# KiCad board OEM_ECU.kicad_pcb (continued)
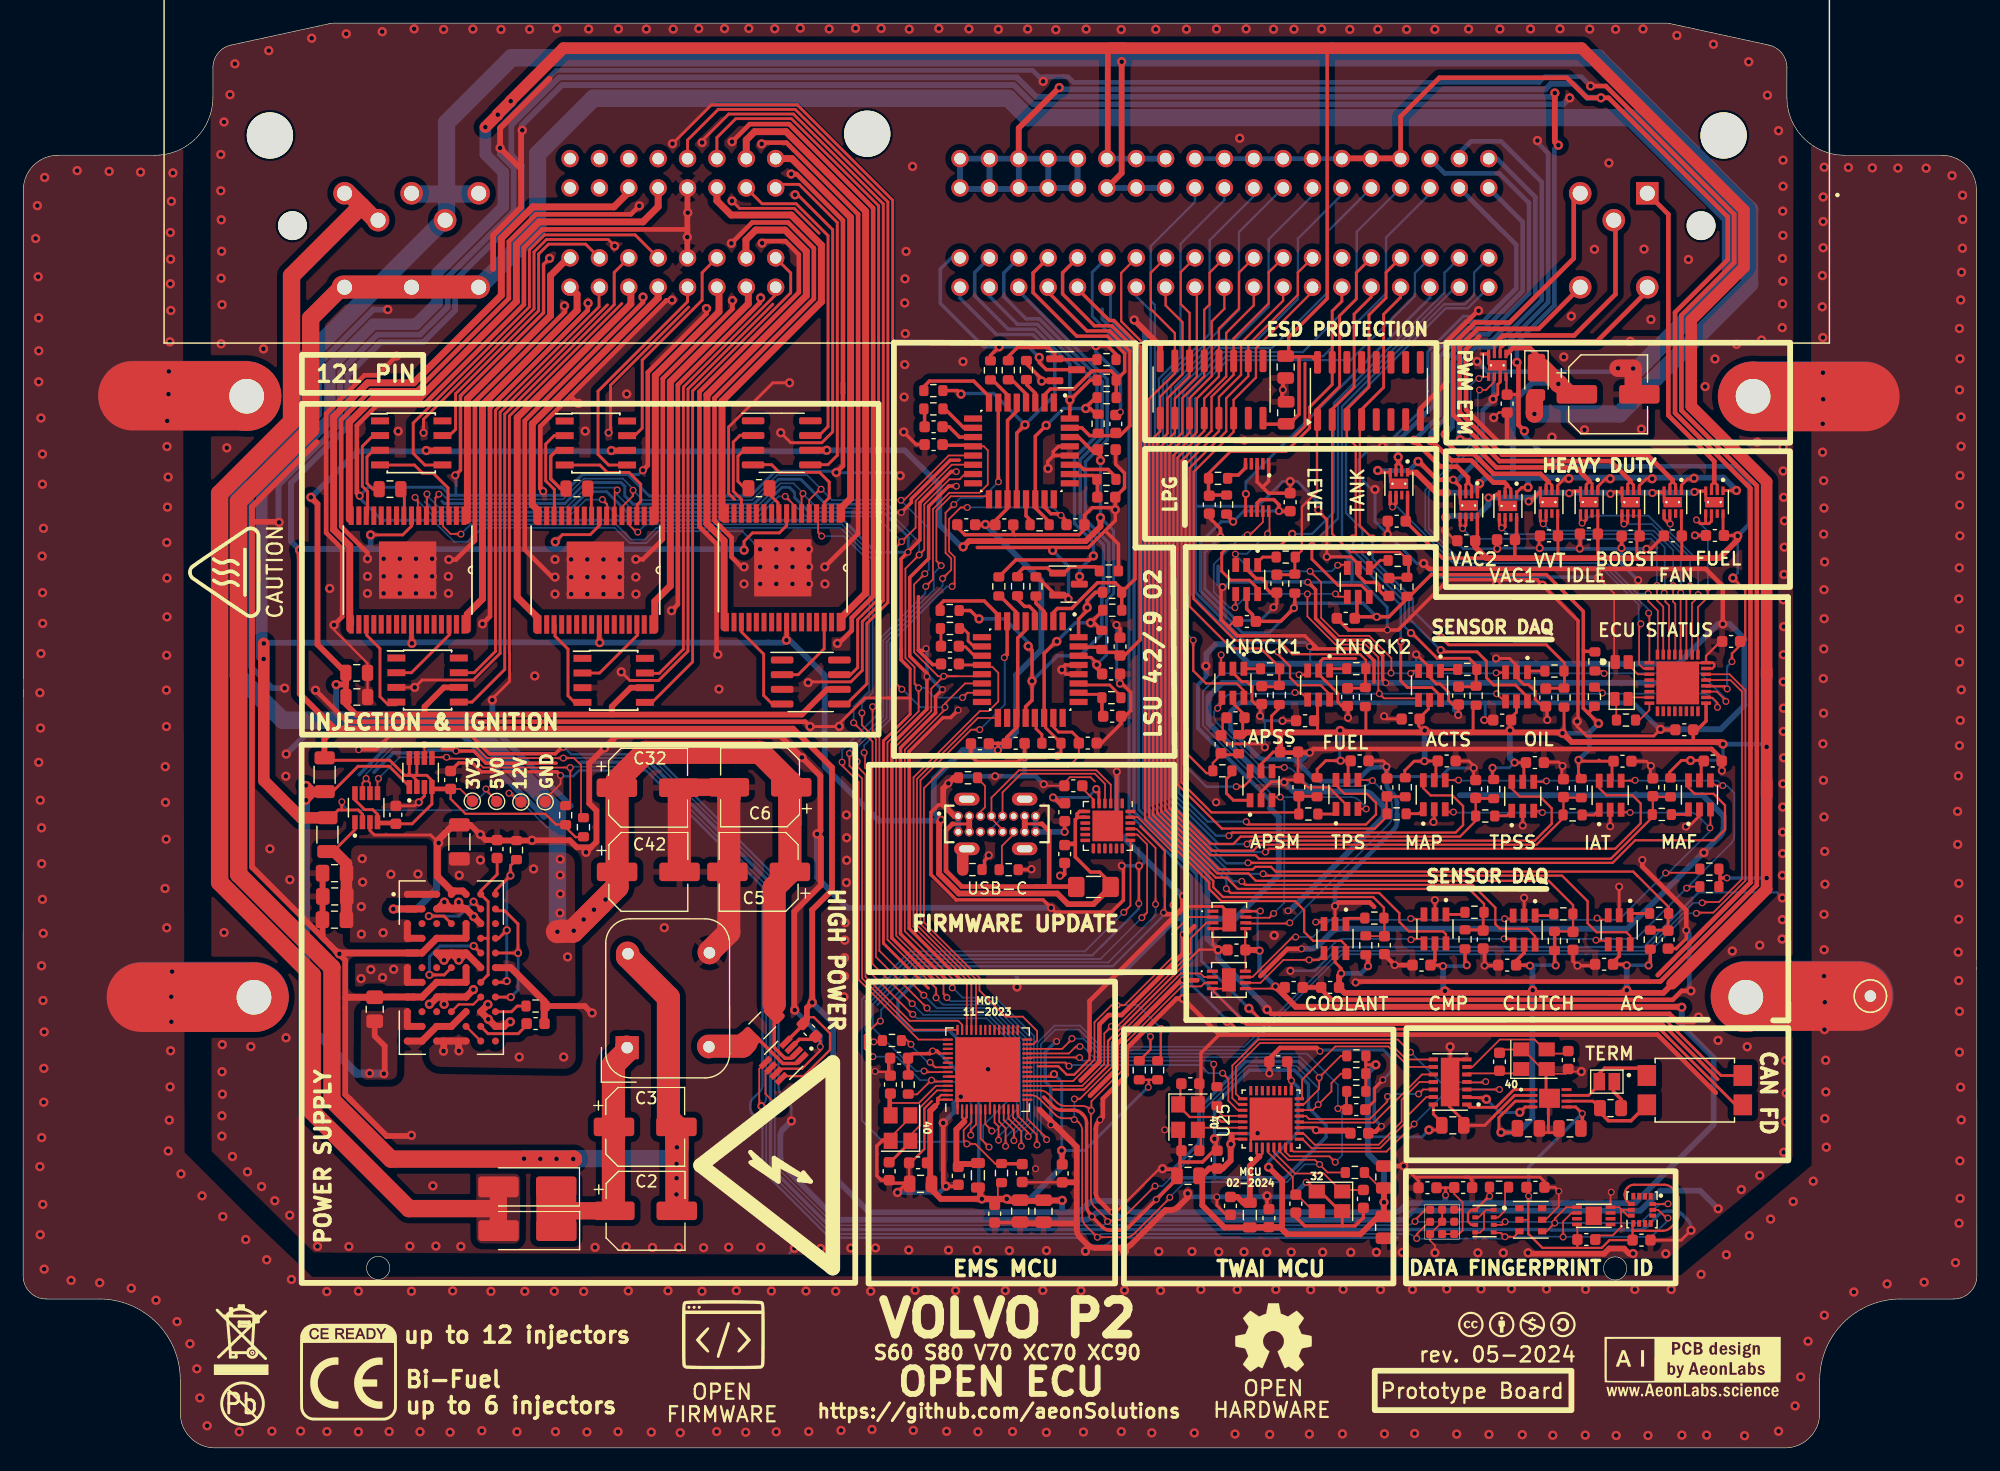
[diagram p0: board, top side]
## Routing (per net, layer and track width the routed paths; a pad name or vN(x,y) marks a point on that pad's centre or on a via; arc(x,y) is an arc through that point) (continued)
TPSS_SENSE+: length 82.3
  Top w0.2: U15.35 105.14,101.67 105.14,98.56 103.4,96.82 SP1.4 103.4,92.69 101.49,90.78 101.49,87.87 99.46,85.84 99.46,55.47 102.68,52.24 104.64,52.24 105.28,52.88 124.24,52.88 125.6,54.24 TPSS_R4.1 TPSS_C3.2
  Top w0.25: 127.04,56.18 125.47,56.18 125.42,56.23 ; 125.42,54.69 125.42,54.68
TPSS_SENSE-: length 100.3
  Top w0.2: v3(105.83,52.23) 106.13,52.53 130.71,52.53 132.17,53.98 132.17,55.33 131.16,56.34 129.41,56.34 128.72,57.03 TPSS_SENSE1.6
  Bottom w0.2: U15.56 111.49,108.33 107.7,104.54 107.7,98.72 104.82,95.84 103.18,95.84 99.26,91.92 99.26,78.3 ; 99.26,78.3 99.26,78.51 ; 99.26,78.3 99.26,56.35 103.37,52.23 v3(105.83,52.23)
TXD0: length 39.3
  Top w0.15: v3(73.55,35.12) 73.91,35.12 74.17,35.38 74.3,35.38 ; U29.20 96.34,53.05 97.19,52.2 97.19,46.32 v3(96.73,45.86)
  Bottom w0.15: v3(73.55,35.12) 73.55,35.21 73.18,35.58 73.18,38.53 76.95,42.29 93.16,42.29 v3(96.73,45.86)
USB_5V0F: length 28.6
  Top w0.25: 80.48,53.97 81.78,53.97 ; 87.94,53.98 86.65,53.98 86.61,54.02
  Top w0.4: 87.55,48.56 81.16,48.56 79.8,49.92 79.8,53.42 80.36,53.97 80.48,53.97 ; 87.55,48.56 88.61,48.56 88.72,48.67 88.72,53.37 88.11,53.98 87.94,53.98 ; 87.55,48.56 91.03,48.56 PWR_FUSE1.2
  Top w0.5: 81.81,54.66 81.81,53.3 ; 86.61,54.66 86.61,53.3
USB_D+: length 16.8
  Top w0.15: 84.69,53.3 84.69,53.48 83.73,54.44 83.73,56.25 86.1,58.62 92.8,58.62 94.05,57.37 94.05,55.76
USB_D-: length 15.4
  Top w0.15: 84.69,54.66 84.69,56.71 86.3,58.32 92.68,58.32 93.55,57.44 93.55,55.76
  Bottom w0.15: 83.73,53.3 83.73,53.58 84.69,54.54 84.69,54.66
VACUUM1-OUT: length 36.6
  Top w0.25: 125.25,82.53 125.25,83.21 124.94,83.51 124.75,83.32 124.75,82.53
  Top w0.4: 124.94,83.51 124.94,83.94 124.01,84.87 122.56,84.87 v1(120.27,87.16) 120.27,87.02
  Bottom w0.4: U15.62 129.66,106.06 129.66,100.08 126.45,96.87 124.95,96.87 122.49,94.42 122.49,89.35 120.3,87.16 v1(120.27,87.16)
VACUUM2-OUT: length 45.9
  Top w0.25: 128.64,82.48 128.64,82.96 128.36,83.24 128.14,83.02 128.14,82.48
  Top w0.4: 128.1,83.5 127.28,83.5 ; 128.1,83.5 128.36,83.24 ; 128.1,83.5 127.14,83.5 125.22,85.42 123.5,85.42 121.79,87.13 v1(121.71,87.13)
  Bottom w0.4: U15.79 122.93,110.25 127.65,110.25 130.21,107.69 130.21,99.86 126.68,96.32 125.17,96.32 123.04,94.19 123.04,89.12 121.71,87.79 v1(121.71,87.13)
VVT-OUT: length 43
  Top w0.25: U27.2 132.19,83.28 131.91,83.56 131.69,83.34 U27.3
  Top w0.4: v1(122.97,87.69) 122.97,87.12 124.12,85.97 125.45,85.97 127.16,84.26 131.2,84.26 131.91,83.56 131.91,83.56 ; 126.91,111.53 U15.81
  Bottom w0.4: v1(122.97,87.69) 123.59,88.31 123.59,93.96 125.4,95.77 126.99,95.77 130.76,99.54 130.76,108.2 127.43,111.53 U15.81
Net-(AC_SENSE1-VIN+): length 1.7
  Top w0.25: AC_SENSE1.1 139.12,46.23 AC_R2.2
Net-(ACC_PEDAL_M_SENSE1-VIN+): length 4
  Top w0.25: 104.41,58.37 104.41,58.22 104.05,57.86 104.05,56.62 104.65,56.02 105.92,56.02 105.91,56.03
Net-(ACC_PEDAL_S_SENSE2-VIN+): length 1.7
  Top w0.25: 105.52,67.4 107.19,67.4
Net-(ACTS_SENSE1-VIN+): length 1.6
  Top w0.25: ACTS_R2.2 122.58,67.34 122.47,67.23
Net-(CJC2-Pad2): length 1.6
  Top w0.25: CJR4.2 79.37,70.83 CJC2.2
Net-(CJC10-Pad2): length 1.6
  Top w0.3: CJR15.2 77.95,89.81 CJC10.2
Net-(CJQ1-G): length 8.1
  Top w0.3: CJR11.1 85.99,75.62 86.48,76.11 88.58,76.11 89.02,75.67 CJQ1.1 90.01,75.67 90.56,76.22 92.7,76.22 CJR10.1
Net-(CJQ2-G): length 9.3
  Top w0.3: 88.62,94.25 88.74,94.14 92.48,94.14 ; CJQ2.1 89.21,94.64 88.66,95.19 85.97,95.19 85.18,94.4 CJR20.1
Net-(CLUTCH_SENSE1-VIN+): length 1.7
  Top w0.25: CLUTCH_SENSE1.1 132.21,46.04 CLU_R4.2
Net-(COOLANT_SENSE1-VIN+): length 1.6
  Top w0.25: 114.52,45.81 116.11,45.81
Net-(CRANK_SENSE1-VIN+): length 1.5
  Top w0.25: CRANK_SENSE1.1 124.48,46.14
Net-(D1-K): length 24.7
  Top w1.5: C2.1 46.23,20.51 46.1,20.64
  Top w2: 46.75,22.1 46.75,21.16 ; 46.83,21.56 46.83,19.73 ; 45.38,21.29 45.38,19.46 ; 52.19,34.68 52.19,34.3 51.04,33.15 51.04,21.11 ; 45.37,22.08 45.37,21.14 ; 51.07,26.92 51.06,26.91
Net-(ESP32S1-U0TXD/PROG/GPIO43): length 5.1
  Top w0.15: 75.95,35.38 76.3,35.38 v3(76.77,34.91) ; 78.86,32.92 79.46,32.92 ; 79.46,32.92 79.47,32.92 ; 79.46,32.92 79.96,32.92 ; v3(78.43,33.35) 78.86,32.92
  Bottom w0.15: v3(78.43,33.35) 78.22,33.35 76.77,34.8 v3(76.77,34.91)
Net-(ESP32S1-VDD3P3-Pad2): length 8.5
  Top w0.2: 81.19,29.28 81.19,28.59 81.39,28.39 81.59,28.6 81.59,29.28
  Top w0.3: 81.39,28.23 81.39,28.39
  Top w0.51: 81.39,28.23 80.7,27.54 80.7,24.55 81.39,24.55 ; 80.86,24.55 82.56,24.55
Net-(ESP32S1-XTAL_N): length 7.5
  Top w0.15: 79.96,31.32 78.94,31.32 ; 74.94,29.84 77.46,29.84 78.94,31.32
  Top w0.4: 74.94,30.55 74.94,28.84 S3_XTAL40_1.3
Net-(ESP32S1-XTAL_P): length 8.6
  Top w0.15: 79.96,30.92 79.03,30.92 ; 76.67,26.58 76.67,27 77.56,27.89 77.56,29.45 79.03,30.92
  Top w0.25: 75.01,24.75 75.75,25.48 ; 74.96,24.46 74.96,24.8 ; 75.76,25.5 76.45,26.19
Net-(FUEL_LPG_R2-Pad2): length 2.3
  Top w0.3: U2.5 105.7,84.78 105.07,84.15 104.43,84.15 FUEL_LPG_R2.2
Net-(FUEL_SENSE1-VIN+): length 1.6
  Top w0.25: FUEL_R4.2 130.19,67.2 FUEL_SENSE1.1
Net-(FUEL_SENSE2-VIN+): length 1.8
  Top w0.25: 112.81,67.25 112.96,67.4 114.54,67.4
Net-(IAT_SENSE1-VIN+): length 1.8
  Top w0.25: 134.7,54.75 135.83,54.75 IAT_SENSE1.1
Net-(J3-CC1): length 3.7
  Top w0.15: 82.77,54.66 82.77,55.02 83.17,55.42 83.17,57.27 82.53,57.92 USB_PLUG_R3.1
Net-(J3-CC2): length 3.8
  Top w0.15: 85.65,53.3 85.65,53.09 84.63,52.07 84.63,50.25 USB_PLUG_R4.1
Net-(J3-SHIELD): length 1.6
  Top w1: 81.25,50 81.25,51.63
Net-(JP4-Pad2): length 2.4
  Top w0.3: R2.2 138.17,30.16 137.52,30.81 137.52,31.56
Net-(KNOCK1_SENSE1-VIN+): length 2
  Top w0.25: KNOCK1_SENSE1.1 106.75,76.61 107.2,77.06 KNOCK1_R1.2
Net-(KNOCK2_SENSE1-VIN+): length 1.8
  Top w0.25: 118.11,76.78 117.35,76.78 116.71,76.14 116.56,76.14
Net-(LED2-RA): length 1.8
  Top w0.15: 137.76,64.78 137.76,62.98 RGB_R1.2
Net-(MAF_SENSE1-VIN+): length 2
  Top w0.25: MAF_SENSE1.1 144,54.99 143.81,54.8 142.29,54.8
Net-(MAP_SENSE1-VIN+): length 1.7
  Top w0.25: MAP_SENSE1.1 120.69,54.86 119.52,54.86
Net-(TPS_SENSE1-VIN+): length 1.9
  Top w0.25: 111.96,54.83 113.33,54.83 113.52,55.03 TPS_SENSE1.1
Net-(TPSS_SENSE1-VIN+): length 1.8
  Top w0.25: TPSS_SENSE1.1 128.29,54.68 127.07,54.68
Net-(U3-IN_A): length 7.9
  Top w0.25: 29.71,80.63 29.78,80.69 29.78,82.74 29.33,83.19 29.33,86.64 30.25,87.56 30.59,87.56
Net-(U3-IN_B): length 9.4
  Top w0.25: 36.88,80.63 36.74,80.76 36.74,83.04 35.47,84.31 34.55,84.31 33.84,85.02 30.59,85.02
Net-(U4-IN_A): length 8.5
  Top w0.25: 45.94,80.63 45.94,81.46 45.93,81.47 45.93,82.91 45.19,83.66 45.19,86.84 45.92,87.56 U4.2
Net-(U4-IN_B): length 10.1
  Top w0.25: 53.11,80.63 53.11,81.6 53.4,81.89 53.4,83.37 52.39,84.38 50.51,84.38 49.87,85.02 U4.4
Net-(U5-GD2): length 6.8
  Top w0.25: U7.2 33.57,67.06 36.88,70.36 36.88,71.23
Net-(U5-GD3): length 8.4
  Top w0.25: 32.27,64.28 31.56,64.28 30.85,64.99 30.85,69.15 29.71,70.29 29.71,71.23
Net-(U6-GD2): length 7
  Top w0.25: U8.2 49.84,67.03 53.11,70.29 53.11,71.23
Net-(U6-GD3): length 8.2
  Top w0.25: U8.4 47.68,64.49 47.11,65.06 47.11,69.1 45.99,70.22 45.99,71.13 45.91,71.21 45.92,71.23 45.94,71.23
Net-(U9-CSB): length 3.4
  Top w0.15: 127.16,19.93 127.55,19.93 128.14,20.52 128.14,22.25 BMPR1.1
Net-(U12-CF): length 3.8
  Top w0.3: U12.26 90.62,84.12 92.51,84.12 92.89,83.74 92.89,82.55
Net-(U12-CM): length 3
  Top w0.3: U12.11 80.96,87.44 80.07,88.33 CJC10.1
Net-(U12-OSZ): length 2.3
  Top w0.3: 86.79,92.43 86.79,91.97 87.52,91.24 U12.3
Net-(U12-RF): length 4.6
  Top w0.3: 94.5,83.78 94.5,83.96 93.82,84.64 91.72,84.64 91.32,85.04 U12.27
Net-(U12-RM): length 3.3
  Top w0.3: U12.10 81.34,88.24 79.7,89.88 CJR15.1
Net-(U12-RS): length 7.3
  Top w0.3: CJR16.1 77.88,91.8 78.37,92.28 82.19,92.28 83.52,90.96 U12.8
Net-(U12-UP): length 16.3
  Top w0.3: v1(88.47,88.46) 87.52,87.51 U12.22 87.52,81.32 88.72,80.12 CJR17.2 ; 92.94,89.26 92.29,89.91 v1(91.88,89.91) 91.88,90 92.68,90.8 92.88,90.8
  Bottom w0.3: v1(91.88,89.91) 89.95,89.91 88.5,88.46 v1(88.47,88.46)
Net-(U12-US): length 2.4
  Top w0.3: CJR17.1 87.07,80.28 86.72,80.63 U12.21
Net-(U17-IN_A): length 8.1
  Top w0.25: U18.14 62.11,82.06 61.41,82.76 61.41,87.01 61.99,87.59 62.77,87.59
Net-(U17-IN_B): length 10.5
  Top w0.25: U18.3 69.27,81.76 69.7,82.2 69.7,83.55 68.86,84.39 65.39,84.39 64.73,85.05 62.77,85.05
Net-(U18-GD2): length 6.9
  Top w0.25: U22.2 67.02,66.89 69.27,69.14 U18.30
Net-(U18-GD3): length 9
  Top w0.25: U18.19 62.11,70.59 64.03,68.67 64.03,65.1 64.78,64.35 U22.4
Net-(U24-COMP1): length 12.6
  Top w0.25: U24.E7 v2(42.8,42.81) 42.79,42.82 42.79,45.32 41.65,46.46 41,46.46 U24.B7 ; U24.H7 40.85,38.99 v2(42.17,38.99)
  Bottom w0.25: v2(42.8,42.81) 42.8,39.62 v2(42.17,38.99) 42.08,39.08 42.08,39.17
Net-(U24-FB1): length 15.3
  Top w0.25: U24.G7 41.71,40.27 v2(41.82,40.38) ; v2(41.82,44.78) 41.12,44.08 U24.D7 ; MPR8.1 42.14,50.37 v2(42.14,49.51) 40.84,48.21 U24.A7
  Bottom w0.25: v2(42.14,49.51) 41.82,49.19 v2(41.82,44.78) v2(41.82,40.38)
Net-(U24-FB4): length 2.8
  Top w0.25: U24.J7 42.23,37.73 42.72,38.22 MPR7.1
Net-(U24-INTVCC1): length 7.4
  Top w0.25: 35.14,46 36.38,46 U24.C4 ; 38.96,47.2 v2(38.95,47.25) 38.99,47.2 U24.B6
  Bottom w0.25: 35.14,46 37.7,46 v2(38.95,47.25)
  vias: v2(35.08,46)
Net-(U24-INTVCC2): length 8.8
  Top w0.25: 38.97,43.44 v2(38.96,43.42) U24.E6 ; U24.F4 36.4,40.91 35.14,40.91 v2(35.13,40.92)
  Bottom w0.25: v2(35.13,40.92) 35.13,42.49 36.06,43.42 v2(38.96,43.42)
Net-(U24-INTVCC3): length 3.1
  Top w0.2: U24.H6 38.93,38.36 37.66,38.36 U24.J4
Net-(U24-INTVCC4): length 1.8
  Top w0.2: U24.K5 U24.L6
Net-(U24-TRACK/SS1): length 12.6
  Top w0.25: 40.21,40.93 40.13,40.85 ; 40.21,40.93 40.21,47.25 U24.A6 39.57,48.19 40.99,49.61 40.99,50.95 ; 40.21,40.93 39.57,40.29 U24.G6 ; U24.D6 40.2,44.08 40.21,44.07
Net-(U24-TRACK/SS4): length 4.7
  Top w0.25: U24.K6 40.2,35.83 42.81,35.83 43.51,36.53 43.51,36.71
Net-(U25-U0TXD): length 2.8
  Top w0.15: 103.55,29.31 103.4,29.46 103.4,29.05 103.73,28.72 105.46,28.72
Net-(U25-VDD3P3): length 8.1
  Top w0.2: 107.16,26.02 107.16,25.46 106.91,25.21 106.66,25.46 106.66,26.02
  Top w0.5: C3P2_C1.1 105,21.71 105.5,21.2 C3_P2_L1.2 106.07,24.38 106.9,25.21 106.91,25.21
Net-(U25-XTAL_N): length 7.7
  Top w0.2: 105.46,28.22 103.59,28.22 103.19,28.62 100.88,28.62 100.15,29.35 100.15,29.71 ; 100.07,31.69 100.07,30.11
Net-(U25-XTAL_P): length 6.1
  Top w0.15: C3XTAL40_1.3 101.77,27.7 U25.30 ; 101.85,27.51 102.06,27.72
  Top w0.2: 101.85,27.51 101.85,25.79 101.96,25.68
Net-(U28-CF): length 3.2
  Top w0.25: 91.41,65.19 92.99,65.19
  Top w0.3: CJR8.1 93.28,63.4 CJC6.2
Net-(U28-CM): length 2.5
  Top w0.25: 80.74,69.3 81.49,69.3 82.26,68.53 U28.11
Net-(U28-OSZ): length 2.5
  Top w0.3: CJR2.2 87.58,73.06 88.29,72.36 88.29,71.51
Net-(U28-RF): length 4.1
  Top w0.25: 91.4,66 93.96,66 94.93,65.02 CJR8.2
Net-(U28-RM): length 3.1
  Top w0.25: 80.78,70.84 81.34,70.84 81.72,70.46 81.72,69.81 82.2,69.33 U28.10
Net-(U28-RS): length 6.8
  Top w0.3: 84.29,71.51 84.29,72.09 83.11,73.27 79.6,73.27 79.13,72.8 79.13,72.44
Net-(U28-UP): length 17.2
  Top w0.25: 89.81,60.91 88.4,62.31 88.4,62.64 ; CJR5.2 89.74,60.16 v2(89.43,59.85)
  Top w0.3: U28.22 88.29,68.73 89.32,69.76 v1(89.38,69.76) 89.38,69.82 89.43,69.87 ; CJR7.1 93.39,72.46 v1(92.3,71.37) 92.61,71.37 93.27,70.72
  Bottom w0.3: v1(92.3,71.37) 90.99,71.37 v1(89.38,69.76)
Net-(U28-US): length 1.9
  Top w0.25: 87.59,62.66 87.59,62.21 88.09,61.7 CJR5.1
Net-(U29-V3): length 1.9
  Top w0.15: 92.55,55.76 92.55,56.1 91.59,57.06 CHC2.2
Net-(U31-CANH): length 8.8
  Top w0.25: 136.22,31.69 136.22,31.35 135.36,30.49 U31.7
  Top w0.3: 136.12,31.66 136.22,31.76 136.22,32.31 136.76,32.85 139.76,32.85 139.78,32.83 139.78,32.22 ; 136.12,31.66 136.03,31.57 ; 136.12,31.66 135.96,31.66
Net-(U31-CANL): length 9
  Top w0.25: U31.6 135.75,29.99 R2.1
  Top w0.3: FL1.2 139.03,28.3 137.08,28.3 135.98,29.4 ; R2.1 136.18,29.39 136.03,29.54
unconnected-(SP1-I1-Pad1): length 0.2
  Top w0.25: 107.36,93.88 SP1.1
unconnected-(U3-NC-Pad1): length 0
  Top w0.25: 30.61,88.85 30.59,88.83
unconnected-(U3-NC-Pad8): length 0.5
  Top w0.25: 36.47,88.83 35.99,88.83

## Copper pours and planes (outline as drawn; the poured copper is in the pictures)
3V3_PROBE_IN on Top, Bottom: 33.52,38.16 29.22,38.19 29.18,31.83 32.34,31.86 32.39,36.14 33.52,36.16
5V_PROBE_IN on Top, Bottom: 33.52,39.97 28.2,39.89 28.37,52.12 35.48,52.11 35.48,47.59 32.87,47.58 31.42,47.57 31.4,45.85 33.56,45.82
12V-BAT on Top: 39.19,23.72 42.99,23.74 42.95,17.67 39.2,17.7 39.17,23.73
+12V on Top, Bottom: 36.13,51.55 36.06,47.16 35.1,47.16 35.1,32.97 47.79,32.77 47.7,51.51
GND on Top, Bottom: 153.08,117.08 153.02,25.2 142.19,16.38 25.15,16.9 16.29,25.67 16.2,126.83 152.98,126.23
GND1 on Top, Bottom: 154.57,117.07 154.6,110.88 154.65,24.45 149.71,20.27 143.33,14.94 25.01,14.8 20.01,19.53 13.96,25.57 13.81,107.5 13.88,115.73 -1.51,115.84 -1.77,-0.71 171.14,-0.66 169.87,117.13
GND-BAT on Top, Bottom: 141.71,96.18 141.74,90.07 140.59,90.07 140.57,87.59 134.71,87.58 133.45,88.69 133.45,90.12 125.22,90.08 125.17,96.23

Small or netless copper shapes (teardrops, artwork), in the pictures only: 571 on Top, 505 on Bottom

## Text on the board
User.Comments: Edge length = 169mm (Incl curves) | Edge length = 124.3mm (Incl curves) | STATUS: NOT FINISHED ; NOT TESTED | NOTE! PCB requires 2oz copper, do NOT use with 1oz
F.Silkscreen: 40 | MCU / 11-2023 | MCU / 02-2024 | 32 | USB-C | 3V3 | 5V0 | 12V | GND | LEVEL | KNOCK1 | APSS | APSM | FUEL | TPS | KNOCK2 | MAP | CMP | ACTS | VAC2 | VAC1 | TPSS | OIL | VVT | IDLE | IAT | TERM | BOOST | AC | ECU STATUS | FAN | MAF | COOLANT | CLUTCH | TANK | ESD PROTECTION | SENSOR DAQ | HEAVY DUTY | LPG | ETM | PWM | https://github.com/aeonSolutions | S60 S80 V70 XC70 XC90 | DATA FINGERPRINT   ID | OPEN | FIRMWARE | HARDWARE | Prototype Board | rev. 05-2024 | CAUTION | HIGH POWER | CAN FD | INJECTION & IGNITION | EMS MCU | FIRMWARE UPDATE | TWAI MCU | POWER SUPPLY | LSU 4.2/.9 O2 | Bi-Fuel / up to 6 injectors | 121 PIN | up to 12 injectors | OPEN ECU | VOLVO P2
